# KiCad board panel.kicad_pcb (continued)
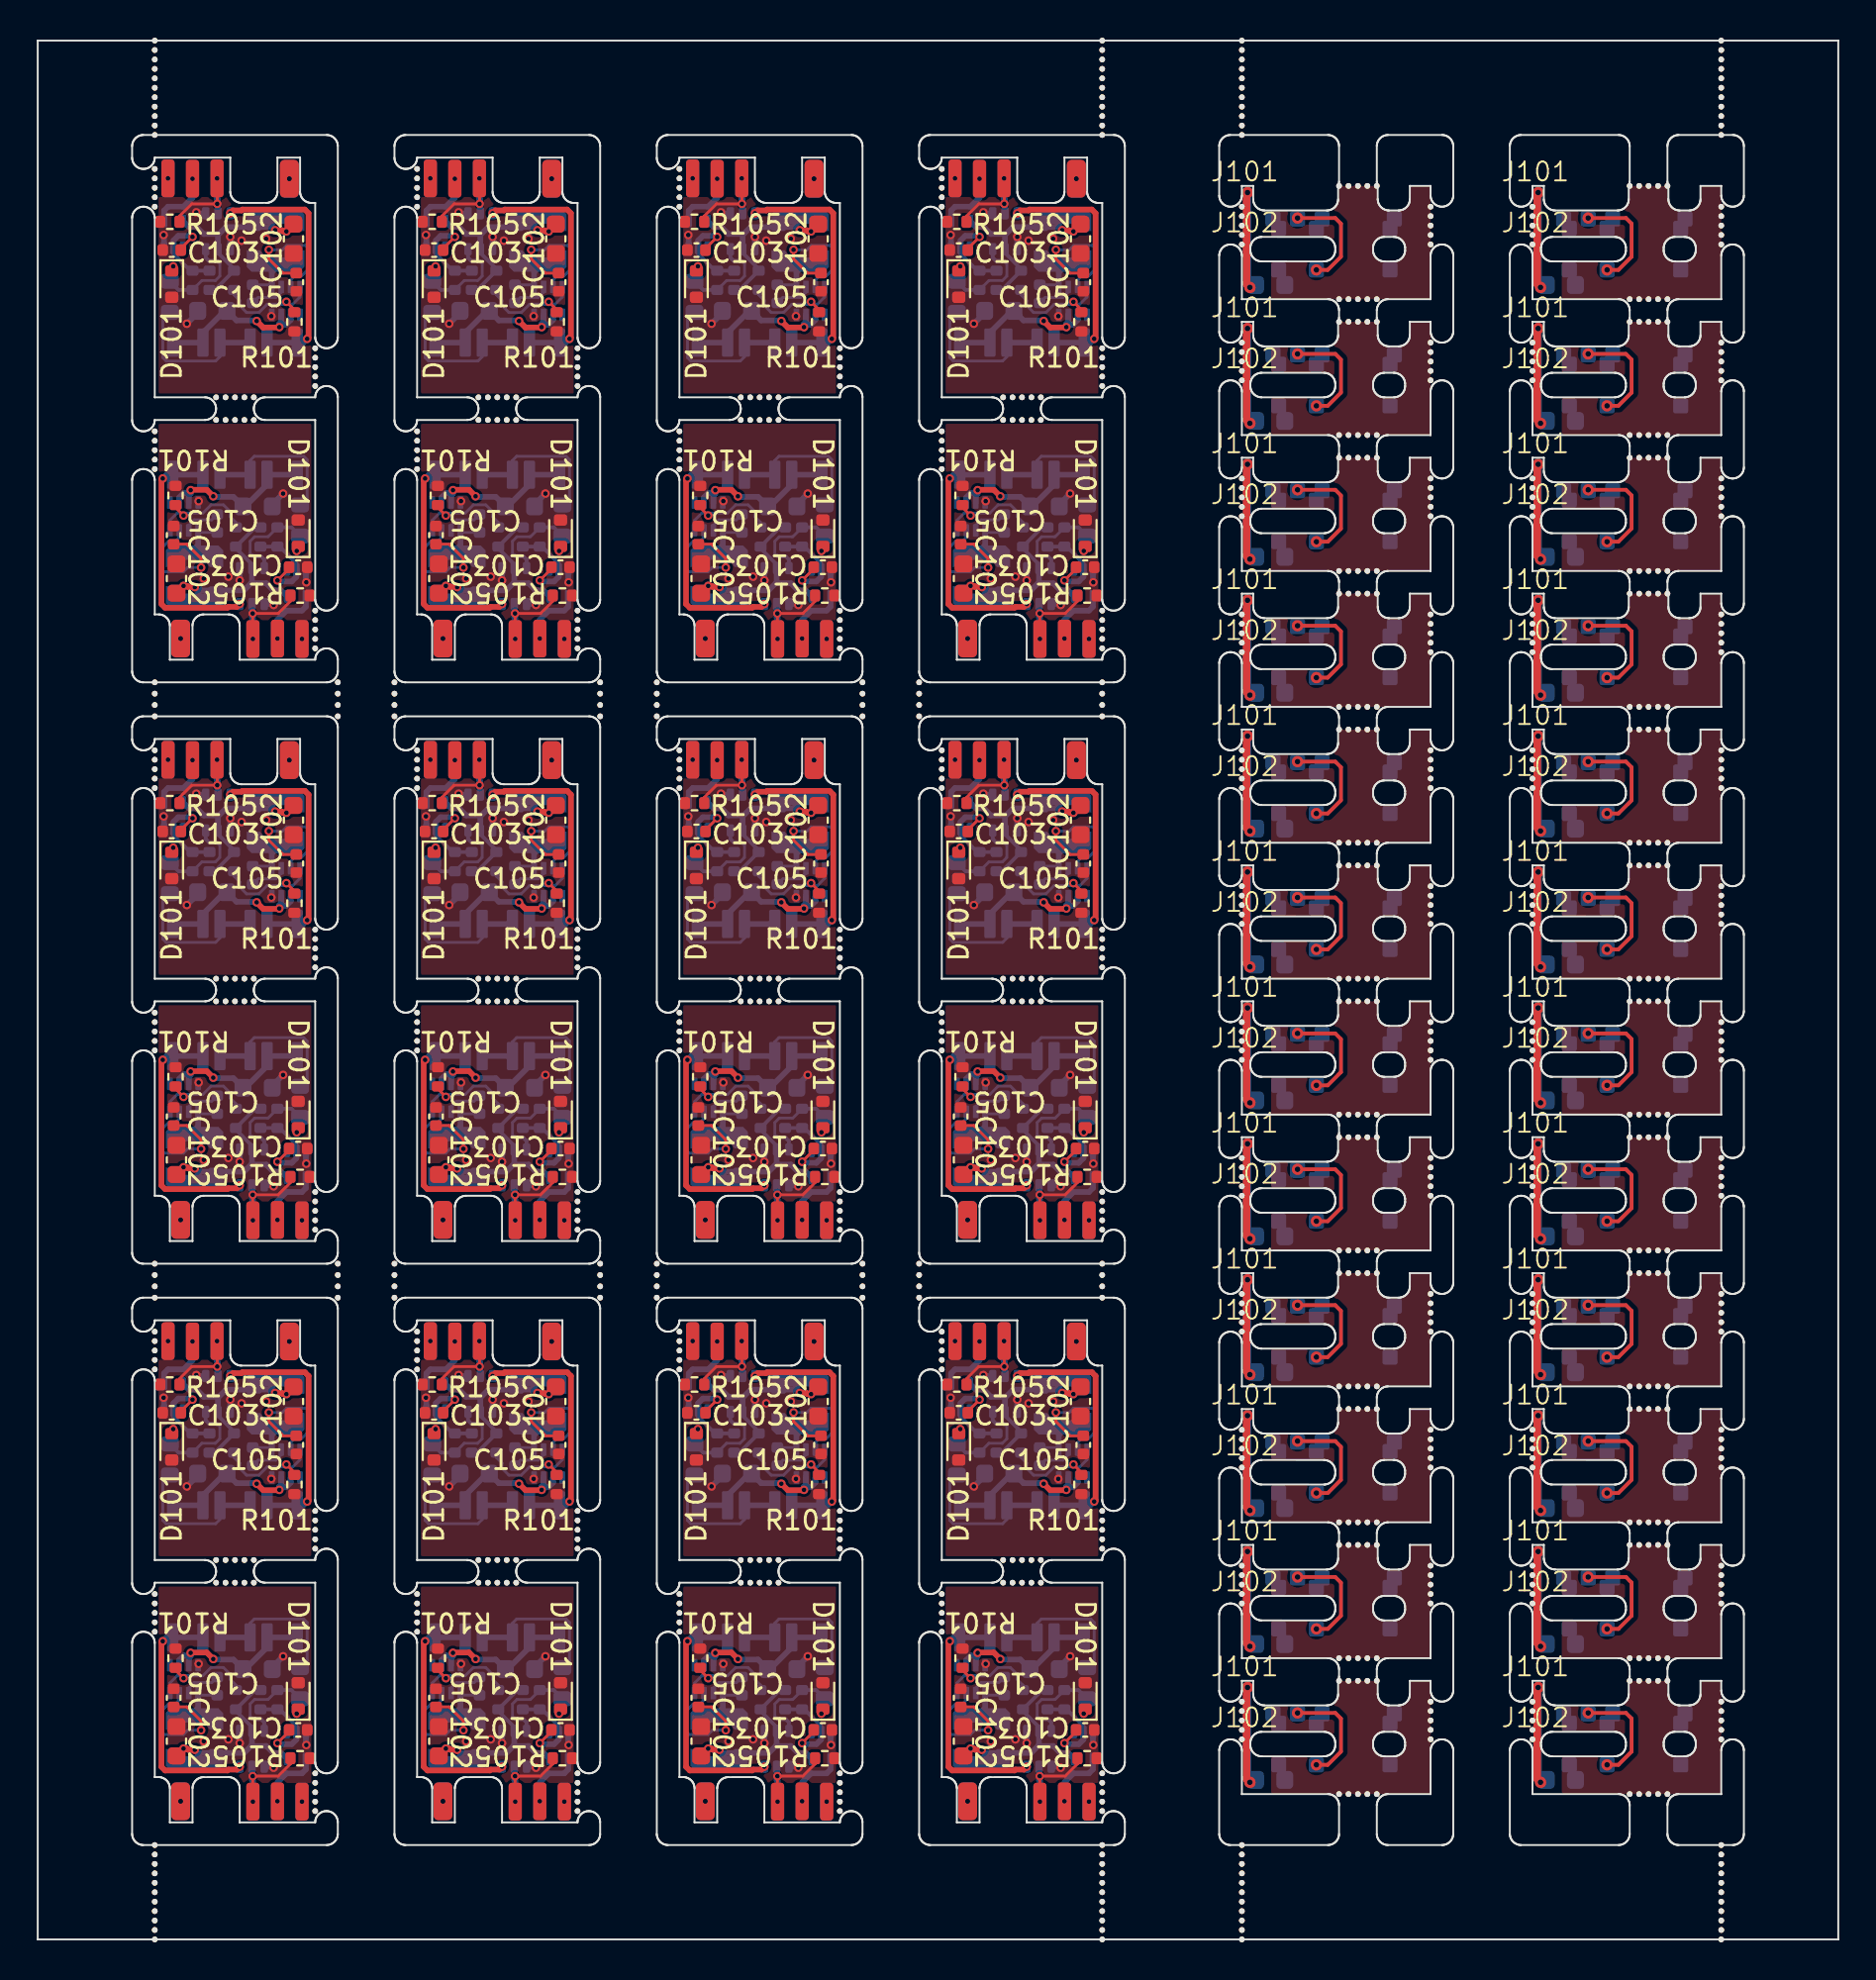
[diagram p0: board, top side]
## Placement (name value [footprint] x y rotation side) (continued)
H106#8  Pad  [SolderWirePad_1x01_SMD_1.5x3mm#2]  21.47 7.32 180 bottom
H106#9  Pad  [SolderWirePad_1x01_SMD_1.5x3mm#2]  41.13 31.68 0 bottom
H106#10  Pad  [SolderWirePad_1x01_SMD_1.5x3mm#2]  21.47 68.92 180 bottom
H106#11  Pad  [SolderWirePad_1x01_SMD_1.5x3mm#2]  21.47 38.12 180 bottom
H106#12  Pad  [SolderWirePad_1x01_SMD_1.5x3mm#2]  13.33 31.68 0 bottom
H106#13  Pad  [SolderWirePad_1x01_SMD_1.5x3mm#2]  55.03 93.28 0 bottom
H106#14  Pad  [SolderWirePad_1x01_SMD_1.5x3mm#2]  7.57 38.12 180 bottom
H106#15  Pad  [SolderWirePad_1x01_SMD_1.5x3mm#2]  13.33 62.48 0 bottom
H106#16  Pad  [SolderWirePad_1x01_SMD_1.5x3mm#2]  13.33 93.28 0 bottom
H106#17  Pad  [SolderWirePad_1x01_SMD_1.5x3mm#2]  55.03 62.48 0 bottom
H106#18  Pad  [SolderWirePad_1x01_SMD_1.5x3mm#2]  35.37 7.32 180 bottom
H106#19  Pad  [SolderWirePad_1x01_SMD_1.5x3mm#2]  49.27 38.12 180 bottom
H106#20  Pad  [SolderWirePad_1x01_SMD_1.5x3mm#2]  27.23 31.68 0 bottom
H106#21  Pad  [SolderWirePad_1x01_SMD_1.5x3mm#2]  49.27 68.92 180 bottom
H106#22  Pad  [SolderWirePad_1x01_SMD_1.5x3mm#2]  55.03 31.68 0 bottom
H106#23  Pad  [SolderWirePad_1x01_SMD_1.5x3mm#2]  35.37 38.12 180 bottom
H106#24  Pad  [SolderWirePad_1x01_SMD_1.5x3mm#2]  41.13 93.28 0 bottom
H107  Pad  [SolderWirePad_1x01_SMD_1.5x3mm]  27.9 7.3 180 bottom
H107#2  Pad  [SolderWirePad_1x01_SMD_1.5x3mm]  6.9 31.7 0 bottom
H107#3  Pad  [SolderWirePad_1x01_SMD_1.5x3mm]  34.7 93.3 0 bottom
H107#4  Pad  [SolderWirePad_1x01_SMD_1.5x3mm]  48.6 31.7 0 bottom
H107#5  Pad  [SolderWirePad_1x01_SMD_1.5x3mm]  6.9 93.3 0 bottom
H107#6  Pad  [SolderWirePad_1x01_SMD_1.5x3mm]  55.7 7.3 180 bottom
H107#7  Pad  [SolderWirePad_1x01_SMD_1.5x3mm]  14 7.3 180 bottom
H107#8  Pad  [SolderWirePad_1x01_SMD_1.5x3mm]  48.6 93.3 0 bottom
H107#9  Pad  [SolderWirePad_1x01_SMD_1.5x3mm]  20.8 62.5 0 bottom
H107#10  Pad  [SolderWirePad_1x01_SMD_1.5x3mm]  27.9 68.9 180 bottom
H107#11  Pad  [SolderWirePad_1x01_SMD_1.5x3mm]  6.9 62.5 0 bottom
H107#12  Pad  [SolderWirePad_1x01_SMD_1.5x3mm]  41.8 68.9 180 bottom
H107#13  Pad  [SolderWirePad_1x01_SMD_1.5x3mm]  14 38.1 180 bottom
H107#14  Pad  [SolderWirePad_1x01_SMD_1.5x3mm]  27.9 38.1 180 bottom
H107#15  Pad  [SolderWirePad_1x01_SMD_1.5x3mm]  34.7 31.7 0 bottom
H107#16  Pad  [SolderWirePad_1x01_SMD_1.5x3mm]  20.8 31.7 0 bottom
H107#17  Pad  [SolderWirePad_1x01_SMD_1.5x3mm]  41.8 7.3 180 bottom
H107#18  Pad  [SolderWirePad_1x01_SMD_1.5x3mm]  55.7 68.9 180 bottom
H107#19  Pad  [SolderWirePad_1x01_SMD_1.5x3mm]  55.7 38.1 180 bottom
H107#20  Pad  [SolderWirePad_1x01_SMD_1.5x3mm]  14 68.9 180 bottom
H107#21  Pad  [SolderWirePad_1x01_SMD_1.5x3mm]  41.8 38.1 180 bottom
H107#22  Pad  [SolderWirePad_1x01_SMD_1.5x3mm]  48.6 62.5 0 bottom
H107#23  Pad  [SolderWirePad_1x01_SMD_1.5x3mm]  20.8 93.3 0 bottom
H107#24  Pad  [SolderWirePad_1x01_SMD_1.5x3mm]  34.7 62.5 0 bottom
H108  Pad  [SolderWirePad_1x01_SMD_1.5x3mm#2]  27.23 93.28 0 top
H108#2  Pad  [SolderWirePad_1x01_SMD_1.5x3mm#2]  41.13 93.28 0 top
H108#3  Pad  [SolderWirePad_1x01_SMD_1.5x3mm#2]  41.13 62.48 0 top
H108#4  Pad  [SolderWirePad_1x01_SMD_1.5x3mm#2]  27.23 62.48 0 top
H108#5  Pad  [SolderWirePad_1x01_SMD_1.5x3mm#2]  7.57 7.32 180 top
H108#6  Pad  [SolderWirePad_1x01_SMD_1.5x3mm#2]  49.27 68.92 180 top
H108#7  Pad  [SolderWirePad_1x01_SMD_1.5x3mm#2]  55.03 62.48 0 top
H108#8  Pad  [SolderWirePad_1x01_SMD_1.5x3mm#2]  13.33 31.68 0 top
H108#9  Pad  [SolderWirePad_1x01_SMD_1.5x3mm#2]  41.13 31.68 0 top
H108#10  Pad  [SolderWirePad_1x01_SMD_1.5x3mm#2]  49.27 7.32 180 top
H108#11  Pad  [SolderWirePad_1x01_SMD_1.5x3mm#2]  55.03 31.68 0 top
H108#12  Pad  [SolderWirePad_1x01_SMD_1.5x3mm#2]  55.03 93.28 0 top
H108#13  Pad  [SolderWirePad_1x01_SMD_1.5x3mm#2]  49.27 38.12 180 top
H108#14  Pad  [SolderWirePad_1x01_SMD_1.5x3mm#2]  7.57 68.92 180 top
H108#15  Pad  [SolderWirePad_1x01_SMD_1.5x3mm#2]  35.37 38.12 180 top
H108#16  Pad  [SolderWirePad_1x01_SMD_1.5x3mm#2]  21.47 7.32 180 top
H108#17  Pad  [SolderWirePad_1x01_SMD_1.5x3mm#2]  7.57 38.12 180 top
H108#18  Pad  [SolderWirePad_1x01_SMD_1.5x3mm#2]  13.33 93.28 0 top
H108#19  Pad  [SolderWirePad_1x01_SMD_1.5x3mm#2]  21.47 38.12 180 top
H108#20  Pad  [SolderWirePad_1x01_SMD_1.5x3mm#2]  13.33 62.48 0 top
H108#21  Pad  [SolderWirePad_1x01_SMD_1.5x3mm#2]  35.37 7.32 180 top
H108#22  Pad  [SolderWirePad_1x01_SMD_1.5x3mm#2]  21.47 68.92 180 top
H108#23  Pad  [SolderWirePad_1x01_SMD_1.5x3mm#2]  35.37 68.92 180 top
H108#24  Pad  [SolderWirePad_1x01_SMD_1.5x3mm#2]  27.23 31.68 0 top
H109  Pad  [SolderWirePad_1x01_SMD_1.5x3mm]  26.6 38.12 180 top
H109#2  Pad  [SolderWirePad_1x01_SMD_1.5x3mm]  36 93.28 0 top
H109#3  Pad  [SolderWirePad_1x01_SMD_1.5x3mm]  40.5 7.32 180 top
H109#4  Pad  [SolderWirePad_1x01_SMD_1.5x3mm]  12.7 7.32 180 top
H109#5  Pad  [SolderWirePad_1x01_SMD_1.5x3mm]  26.6 68.92 180 top
H109#6  Pad  [SolderWirePad_1x01_SMD_1.5x3mm]  54.4 68.92 180 top
H109#7  Pad  [SolderWirePad_1x01_SMD_1.5x3mm]  36 62.48 0 top
H109#8  Pad  [SolderWirePad_1x01_SMD_1.5x3mm]  8.2 93.28 0 top
H109#9  Pad  [SolderWirePad_1x01_SMD_1.5x3mm]  54.4 38.12 180 top
H109#10  Pad  [SolderWirePad_1x01_SMD_1.5x3mm]  22.1 31.68 0 top
H109#11  Pad  [SolderWirePad_1x01_SMD_1.5x3mm]  8.2 62.48 0 top
H109#12  Pad  [SolderWirePad_1x01_SMD_1.5x3mm]  36 31.68 0 top
H109#13  Pad  [SolderWirePad_1x01_SMD_1.5x3mm]  54.4 7.32 180 top
H109#14  Pad  [SolderWirePad_1x01_SMD_1.5x3mm]  40.5 38.12 180 top
H109#15  Pad  [SolderWirePad_1x01_SMD_1.5x3mm]  49.9 62.48 0 top
H109#16  Pad  [SolderWirePad_1x01_SMD_1.5x3mm]  12.7 38.12 180 top
H109#17  Pad  [SolderWirePad_1x01_SMD_1.5x3mm]  49.9 31.68 0 top
H109#18  Pad  [SolderWirePad_1x01_SMD_1.5x3mm]  12.7 68.92 180 top
H109#19  Pad  [SolderWirePad_1x01_SMD_1.5x3mm]  22.1 62.48 0 top
H109#20  Pad  [SolderWirePad_1x01_SMD_1.5x3mm]  8.2 31.68 0 top
H109#21  Pad  [SolderWirePad_1x01_SMD_1.5x3mm]  22.1 93.28 0 top
H109#22  Pad  [SolderWirePad_1x01_SMD_1.5x3mm]  49.9 93.28 0 top
H109#23  Pad  [SolderWirePad_1x01_SMD_1.5x3mm]  40.5 68.92 180 top
H109#24  Pad  [SolderWirePad_1x01_SMD_1.5x3mm]  26.6 7.32 180 top
H110  Pad  [SolderWirePad_1x01_SMD_1.5x3mm]  11.4 38.1 180 top
H110#2  Pad  [SolderWirePad_1x01_SMD_1.5x3mm]  53.1 38.1 180 top
H110#3  Pad  [SolderWirePad_1x01_SMD_1.5x3mm]  11.4 68.9 180 top
H110#4  Pad  [SolderWirePad_1x01_SMD_1.5x3mm]  39.2 7.3 180 top
H110#5  Pad  [SolderWirePad_1x01_SMD_1.5x3mm]  51.2 62.5 0 top
H110#6  Pad  [SolderWirePad_1x01_SMD_1.5x3mm]  39.2 68.9 180 top
H110#7  Pad  [SolderWirePad_1x01_SMD_1.5x3mm]  51.2 31.7 0 top
H110#8  Pad  [SolderWirePad_1x01_SMD_1.5x3mm]  37.3 93.3 0 top
H110#9  Pad  [SolderWirePad_1x01_SMD_1.5x3mm]  9.5 62.5 0 top
H110#10  Pad  [SolderWirePad_1x01_SMD_1.5x3mm]  53.1 68.9 180 top
H110#11  Pad  [SolderWirePad_1x01_SMD_1.5x3mm]  11.4 7.3 180 top
H110#12  Pad  [SolderWirePad_1x01_SMD_1.5x3mm]  25.3 7.3 180 top
H110#13  Pad  [SolderWirePad_1x01_SMD_1.5x3mm]  9.5 93.3 0 top
H110#14  Pad  [SolderWirePad_1x01_SMD_1.5x3mm]  23.4 62.5 0 top
H110#15  Pad  [SolderWirePad_1x01_SMD_1.5x3mm]  53.1 7.3 180 top
H110#16  Pad  [SolderWirePad_1x01_SMD_1.5x3mm]  25.3 68.9 180 top
H110#17  Pad  [SolderWirePad_1x01_SMD_1.5x3mm]  23.4 31.7 0 top
H110#18  Pad  [SolderWirePad_1x01_SMD_1.5x3mm]  37.3 31.7 0 top
H110#19  Pad  [SolderWirePad_1x01_SMD_1.5x3mm]  23.4 93.3 0 top
H110#20  Pad  [SolderWirePad_1x01_SMD_1.5x3mm]  37.3 62.5 0 top
H110#21  Pad  [SolderWirePad_1x01_SMD_1.5x3mm]  39.2 38.1 180 top
H110#22  Pad  [SolderWirePad_1x01_SMD_1.5x3mm]  51.2 93.3 0 top
H110#23  Pad  [SolderWirePad_1x01_SMD_1.5x3mm]  25.3 38.1 180 top
H110#24  Pad  [SolderWirePad_1x01_SMD_1.5x3mm]  9.5 31.7 0 top
H111  Pad  [SolderWirePad_1x01_SMD_1.5x3mm]  48.6 93.3 0 top
H111#2  Pad  [SolderWirePad_1x01_SMD_1.5x3mm]  48.6 31.7 0 top
H111#3  Pad  [SolderWirePad_1x01_SMD_1.5x3mm]  6.9 62.5 0 top
H111#4  Pad  [SolderWirePad_1x01_SMD_1.5x3mm]  6.9 93.3 0 top
H111#5  Pad  [SolderWirePad_1x01_SMD_1.5x3mm]  34.7 31.7 0 top
H111#6  Pad  [SolderWirePad_1x01_SMD_1.5x3mm]  14 68.9 180 top
H111#7  Pad  [SolderWirePad_1x01_SMD_1.5x3mm]  55.7 7.3 180 top
H111#8  Pad  [SolderWirePad_1x01_SMD_1.5x3mm]  20.8 93.3 0 top
H111#9  Pad  [SolderWirePad_1x01_SMD_1.5x3mm]  41.8 7.3 180 top
H111#10  Pad  [SolderWirePad_1x01_SMD_1.5x3mm]  27.9 68.9 180 top
H111#11  Pad  [SolderWirePad_1x01_SMD_1.5x3mm]  20.8 31.7 0 top
H111#12  Pad  [SolderWirePad_1x01_SMD_1.5x3mm]  20.8 62.5 0 top
H111#13  Pad  [SolderWirePad_1x01_SMD_1.5x3mm]  34.7 62.5 0 top
H111#14  Pad  [SolderWirePad_1x01_SMD_1.5x3mm]  41.8 68.9 180 top
H111#15  Pad  [SolderWirePad_1x01_SMD_1.5x3mm]  14 38.1 180 top
H111#16  Pad  [SolderWirePad_1x01_SMD_1.5x3mm]  41.8 38.1 180 top
H111#17  Pad  [SolderWirePad_1x01_SMD_1.5x3mm]  27.9 38.1 180 top
H111#18  Pad  [SolderWirePad_1x01_SMD_1.5x3mm]  34.7 93.3 0 top
H111#19  Pad  [SolderWirePad_1x01_SMD_1.5x3mm]  55.7 38.1 180 top
H111#20  Pad  [SolderWirePad_1x01_SMD_1.5x3mm]  6.9 31.7 0 top
H111#21  Pad  [SolderWirePad_1x01_SMD_1.5x3mm]  48.6 62.5 0 top
H111#22  Pad  [SolderWirePad_1x01_SMD_1.5x3mm]  27.9 7.3 180 top
H111#23  Pad  [SolderWirePad_1x01_SMD_1.5x3mm]  14 7.3 180 top
H111#24  Pad  [SolderWirePad_1x01_SMD_1.5x3mm]  55.7 68.9 180 top
J101  Conn_01x04  [minipcb_alt_boardedge]  80.15 77.85 0 top
J101#2  Conn_01x04  [minipcb_alt_boardedge]  80.15 34.65 0 top
J101#3  Conn_01x04  [minipcb_alt_boardedge]  80.15 85.05 0 top
J101#4  Conn_01x04  [minipcb_alt_boardedge]  80.15 56.25 0 top
J101#5  Conn_01x04  [minipcb_alt_boardedge]  80.15 92.25 0 top
J101#6  Conn_01x04  [minipcb_alt_boardedge]  80.15 27.45 0 top
J101#7  Conn_01x04  [minipcb_alt_boardedge]  64.75 63.45 0 top
J101#8  Conn_01x04  [minipcb_alt_boardedge]  80.15 13.05 0 top
J101#9  Conn_01x04  [minipcb_alt_boardedge]  64.75 27.45 0 top
J101#10  Conn_01x04  [minipcb_alt_boardedge]  80.15 63.45 0 top
J101#11  Conn_01x04  [minipcb_alt_boardedge]  64.75 13.05 0 top
J101#12  Conn_01x04  [minipcb_alt_boardedge]  64.75 49.05 0 top
J101#13  Conn_01x04  [minipcb_alt_boardedge]  64.75 70.65 0 top
J101#14  Conn_01x04  [minipcb_alt_boardedge]  64.75 92.25 0 top
J101#15  Conn_01x04  [minipcb_alt_boardedge]  80.15 70.65 0 top
J101#16  Conn_01x04  [minipcb_alt_boardedge]  64.75 20.25 0 top
J101#17  Conn_01x04  [minipcb_alt_boardedge]  80.15 41.85 0 top
J101#18  Conn_01x04  [minipcb_alt_boardedge]  80.15 49.05 0 top
J101#19  Conn_01x04  [minipcb_alt_boardedge]  64.75 85.05 0 top
J101#20  Conn_01x04  [minipcb_alt_boardedge]  80.15 20.25 0 top
J101#21  Conn_01x04  [minipcb_alt_boardedge]  64.75 77.85 0 top
J101#22  Conn_01x04  [minipcb_alt_boardedge]  64.75 56.25 0 top
J101#23  Conn_01x04  [minipcb_alt_boardedge]  64.75 34.65 0 top
J101#24  Conn_01x04  [minipcb_alt_boardedge]  64.75 41.85 0 top
J102  Conn_02x03_Odd_Even  [ESP8685-WROOM-07]  64.25 89.55 0 top
J102#2  Conn_02x03_Odd_Even  [ESP8685-WROOM-07]  79.65 67.95 0 top
J102#3  Conn_02x03_Odd_Even  [ESP8685-WROOM-07]  64.25 10.35 0 top
J102#4  Conn_02x03_Odd_Even  [ESP8685-WROOM-07]  64.25 67.95 0 top
J102#5  Conn_02x03_Odd_Even  [ESP8685-WROOM-07]  64.25 24.75 0 top
J102#6  Conn_02x03_Odd_Even  [ESP8685-WROOM-07]  79.65 17.55 0 top
J102#7  Conn_02x03_Odd_Even  [ESP8685-WROOM-07]  79.65 75.15 0 top
J102#8  Conn_02x03_Odd_Even  [ESP8685-WROOM-07]  64.25 75.15 0 top
J102#9  Conn_02x03_Odd_Even  [ESP8685-WROOM-07]  64.25 60.75 0 top
J102#10  Conn_02x03_Odd_Even  [ESP8685-WROOM-07]  79.65 10.35 0 top
J102#11  Conn_02x03_Odd_Even  [ESP8685-WROOM-07]  64.25 53.55 0 top
J102#12  Conn_02x03_Odd_Even  [ESP8685-WROOM-07]  79.65 31.95 0 top
J102#13  Conn_02x03_Odd_Even  [ESP8685-WROOM-07]  79.65 82.35 0 top
J102#14  Conn_02x03_Odd_Even  [ESP8685-WROOM-07]  64.25 17.55 0 top
J102#15  Conn_02x03_Odd_Even  [ESP8685-WROOM-07]  64.25 46.35 0 top
J102#16  Conn_02x03_Odd_Even  [ESP8685-WROOM-07]  79.65 53.55 0 top
J102#17  Conn_02x03_Odd_Even  [ESP8685-WROOM-07]  79.65 60.75 0 top
J102#18  Conn_02x03_Odd_Even  [ESP8685-WROOM-07]  64.25 82.35 0 top
J102#19  Conn_02x03_Odd_Even  [ESP8685-WROOM-07]  79.65 24.75 0 top
J102#20  Conn_02x03_Odd_Even  [ESP8685-WROOM-07]  79.65 46.35 0 top
J102#21  Conn_02x03_Odd_Even  [ESP8685-WROOM-07]  79.65 39.15 0 top
J102#22  Conn_02x03_Odd_Even  [ESP8685-WROOM-07]  64.25 31.95 0 top
J102#23  Conn_02x03_Odd_Even  [ESP8685-WROOM-07]  64.25 39.15 0 top
J102#24  Conn_02x03_Odd_Even  [ESP8685-WROOM-07]  79.65 89.55 0 top
KiKit_MB_1_1  -  [NPTH]  70.95 86.9 0 top
KiKit_MB_1_1#2  -  [NPTH]  11.45 81.7 0 top
KiKit_MB_1_2  -  [NPTH]  10.95 81.7 0 top
KiKit_MB_1_2#2  -  [NPTH]  70.45 86.9 0 top
KiKit_MB_1_3  -  [NPTH]  69.95 86.9 0 top
KiKit_MB_1_3#2  -  [NPTH]  10.45 81.7 0 top
KiKit_MB_1_4  -  [NPTH]  69.45 86.9 0 top
KiKit_MB_1_4#2  -  [NPTH]  9.95 81.7 0 top
KiKit_MB_1_5  -  [NPTH]  68.95 86.9 0 top
KiKit_MB_1_5#2  -  [NPTH]  9.45 81.7 0 top
KiKit_MB_2_1  -  [NPTH]  14.7 84.3 0 top
KiKit_MB_2_1#2  -  [NPTH]  73.8 91.8 0 top
KiKit_MB_2_2  -  [NPTH]  73.8 91.3 0 top
KiKit_MB_2_2#2  -  [NPTH]  14.7 83.8 0 top
KiKit_MB_2_3  -  [NPTH]  14.7 83.3 0 top
KiKit_MB_2_3#2  -  [NPTH]  73.8 90.8 0 top
KiKit_MB_2_4  -  [NPTH]  14.7 82.8 0 top
KiKit_MB_2_4#2  -  [NPTH]  73.8 90.3 0 top
KiKit_MB_2_5  -  [NPTH]  14.7 82.3 0 top
KiKit_MB_2_5#2  -  [NPTH]  73.8 89.8 0 top
KiKit_MB_3_1  -  [NPTH]  68.95 92.9 0 top
KiKit_MB_3_1#2  -  [NPTH]  6.2 91.8 0 top
KiKit_MB_3_2  -  [NPTH]  6.2 92.3 0 top
KiKit_MB_3_2#2  -  [NPTH]  69.45 92.9 0 top
KiKit_MB_3_3  -  [NPTH]  6.2 92.8 0 top
KiKit_MB_3_3#2  -  [NPTH]  69.95 92.9 0 top
KiKit_MB_3_4  -  [NPTH]  70.45 92.9 0 top
KiKit_MB_3_4#2  -  [NPTH]  6.2 93.3 0 top
KiKit_MB_3_5  -  [NPTH]  6.2 93.8 0 top
KiKit_MB_3_5#2  -  [NPTH]  70.95 92.9 0 top
KiKit_MB_4_1  -  [NPTH]  63.8 89.8 0 top
KiKit_MB_4_1#2  -  [NPTH]  25.35 81.7 0 top
KiKit_MB_4_2  -  [NPTH]  63.8 90.3 0 top
KiKit_MB_4_2#2  -  [NPTH]  24.85 81.7 0 top
KiKit_MB_4_3  -  [NPTH]  63.8 90.8 0 top
KiKit_MB_4_3#2  -  [NPTH]  24.35 81.7 0 top
KiKit_MB_4_4  -  [NPTH]  63.8 91.3 0 top
KiKit_MB_4_4#2  -  [NPTH]  23.85 81.7 0 top
KiKit_MB_4_5  -  [NPTH]  63.8 91.8 0 top
KiKit_MB_4_5#2  -  [NPTH]  23.35 81.7 0 top
KiKit_MB_5_1  -  [NPTH]  28.6 84.3 0 top
KiKit_MB_5_1#2  -  [NPTH]  86.35 86.9 0 top
KiKit_MB_5_2  -  [NPTH]  85.85 86.9 0 top
KiKit_MB_5_2#2  -  [NPTH]  28.6 83.8 0 top
KiKit_MB_5_3  -  [NPTH]  28.6 83.3 0 top
KiKit_MB_5_3#2  -  [NPTH]  85.35 86.9 0 top
KiKit_MB_5_4  -  [NPTH]  84.85 86.9 0 top
KiKit_MB_5_4#2  -  [NPTH]  28.6 82.8 0 top
KiKit_MB_5_5  -  [NPTH]  28.6 82.3 0 top
KiKit_MB_5_5#2  -  [NPTH]  84.35 86.9 0 top
KiKit_MB_6_1  -  [NPTH]  89.2 91.8 0 top
KiKit_MB_6_1#2  -  [NPTH]  20.1 91.8 0 top
KiKit_MB_6_2  -  [NPTH]  89.2 91.3 0 top
KiKit_MB_6_2#2  -  [NPTH]  20.1 92.3 0 top
KiKit_MB_6_3  -  [NPTH]  89.2 90.8 0 top
KiKit_MB_6_3#2  -  [NPTH]  20.1 92.8 0 top
KiKit_MB_6_4  -  [NPTH]  89.2 90.3 0 top
KiKit_MB_6_4#2  -  [NPTH]  20.1 93.3 0 top
KiKit_MB_6_5  -  [NPTH]  89.2 89.8 0 top
KiKit_MB_6_5#2  -  [NPTH]  20.1 93.8 0 top
KiKit_MB_7_1  -  [NPTH]  84.35 92.9 0 top
KiKit_MB_7_1#2  -  [NPTH]  39.25 81.7 0 top
KiKit_MB_7_2  -  [NPTH]  38.75 81.7 0 top
KiKit_MB_7_2#2  -  [NPTH]  84.85 92.9 0 top
KiKit_MB_7_3  -  [NPTH]  85.35 92.9 0 top
KiKit_MB_7_3#2  -  [NPTH]  38.25 81.7 0 top
KiKit_MB_7_4  -  [NPTH]  85.85 92.9 0 top
KiKit_MB_7_4#2  -  [NPTH]  37.75 81.7 0 top
KiKit_MB_7_5  -  [NPTH]  37.25 81.7 0 top
KiKit_MB_7_5#2  -  [NPTH]  86.35 92.9 0 top
KiKit_MB_8_1  -  [NPTH]  79.2 89.8 0 top
KiKit_MB_8_1#2  -  [NPTH]  42.5 84.3 0 top
KiKit_MB_8_2  -  [NPTH]  79.2 90.3 0 top
KiKit_MB_8_2#2  -  [NPTH]  42.5 83.8 0 top
KiKit_MB_8_3  -  [NPTH]  79.2 90.8 0 top
KiKit_MB_8_3#2  -  [NPTH]  42.5 83.3 0 top
KiKit_MB_8_4  -  [NPTH]  42.5 82.8 0 top
KiKit_MB_8_4#2  -  [NPTH]  79.2 91.3 0 top
KiKit_MB_8_5  -  [NPTH]  42.5 82.3 0 top
KiKit_MB_8_5#2  -  [NPTH]  79.2 91.8 0 top
KiKit_MB_9_1  -  [NPTH]  70.95 79.7 0 top
KiKit_MB_9_1#2  -  [NPTH]  34 91.8 0 top
KiKit_MB_9_2  -  [NPTH]  34 92.3 0 top
KiKit_MB_9_2#2  -  [NPTH]  70.45 79.7 0 top
KiKit_MB_9_3  -  [NPTH]  69.95 79.7 0 top
KiKit_MB_9_3#2  -  [NPTH]  34 92.8 0 top
KiKit_MB_9_4  -  [NPTH]  69.45 79.7 0 top
KiKit_MB_9_4#2  -  [NPTH]  34 93.3 0 top
KiKit_MB_9_5  -  [NPTH]  68.95 79.7 0 top
KiKit_MB_9_5#2  -  [NPTH]  34 93.8 0 top
KiKit_MB_10_1  -  [NPTH]  53.15 81.7 0 top
KiKit_MB_10_1#2  -  [NPTH]  73.8 84.6 0 top
KiKit_MB_10_2  -  [NPTH]  52.65 81.7 0 top
KiKit_MB_10_2#2  -  [NPTH]  73.8 84.1 0 top
KiKit_MB_10_3  -  [NPTH]  73.8 83.6 0 top
KiKit_MB_10_3#2  -  [NPTH]  52.15 81.7 0 top
KiKit_MB_10_4  -  [NPTH]  51.65 81.7 0 top
KiKit_MB_10_4#2  -  [NPTH]  73.8 83.1 0 top
KiKit_MB_10_5  -  [NPTH]  51.15 81.7 0 top
KiKit_MB_10_5#2  -  [NPTH]  73.8 82.6 0 top
KiKit_MB_11_1  -  [NPTH]  56.4 84.3 0 top
KiKit_MB_11_1#2  -  [NPTH]  68.95 85.7 0 top
KiKit_MB_11_2  -  [NPTH]  69.45 85.7 0 top
KiKit_MB_11_2#2  -  [NPTH]  56.4 83.8 0 top
KiKit_MB_11_3  -  [NPTH]  56.4 83.3 0 top
KiKit_MB_11_3#2  -  [NPTH]  69.95 85.7 0 top
KiKit_MB_11_4  -  [NPTH]  70.45 85.7 0 top
KiKit_MB_11_4#2  -  [NPTH]  56.4 82.8 0 top
KiKit_MB_11_5  -  [NPTH]  56.4 82.3 0 top
KiKit_MB_11_5#2  -  [NPTH]  70.95 85.7 0 top
KiKit_MB_12_1  -  [NPTH]  63.8 82.6 0 top
KiKit_MB_12_1#2  -  [NPTH]  47.9 91.8 0 top
KiKit_MB_12_2  -  [NPTH]  47.9 92.3 0 top
KiKit_MB_12_2#2  -  [NPTH]  63.8 83.1 0 top
KiKit_MB_12_3  -  [NPTH]  63.8 83.6 0 top
KiKit_MB_12_3#2  -  [NPTH]  47.9 92.8 0 top
KiKit_MB_12_4  -  [NPTH]  47.9 93.3 0 top
KiKit_MB_12_4#2  -  [NPTH]  63.8 84.1 0 top
KiKit_MB_12_5  -  [NPTH]  63.8 84.6 0 top
KiKit_MB_12_5#2  -  [NPTH]  47.9 93.8 0 top
KiKit_MB_13_1  -  [NPTH]  9.45 80.5 0 top
KiKit_MB_13_1#2  -  [NPTH]  86.35 79.7 0 top
KiKit_MB_13_2  -  [NPTH]  85.85 79.7 0 top
KiKit_MB_13_2#2  -  [NPTH]  9.95 80.5 0 top
KiKit_MB_13_3  -  [NPTH]  85.35 79.7 0 top
KiKit_MB_13_3#2  -  [NPTH]  10.45 80.5 0 top
KiKit_MB_13_4  -  [NPTH]  84.85 79.7 0 top
KiKit_MB_13_4#2  -  [NPTH]  10.95 80.5 0 top
KiKit_MB_13_5  -  [NPTH]  11.45 80.5 0 top
KiKit_MB_13_5#2  -  [NPTH]  84.35 79.7 0 top
KiKit_MB_14_1  -  [NPTH]  89.2 84.6 0 top
KiKit_MB_14_1#2  -  [NPTH]  6.2 77.9 0 top
KiKit_MB_14_2  -  [NPTH]  89.2 84.1 0 top
KiKit_MB_14_2#2  -  [NPTH]  6.2 78.4 0 top
KiKit_MB_14_3  -  [NPTH]  6.2 78.9 0 top
KiKit_MB_14_3#2  -  [NPTH]  89.2 83.6 0 top
KiKit_MB_14_4  -  [NPTH]  89.2 83.1 0 top
KiKit_MB_14_4#2  -  [NPTH]  6.2 79.4 0 top
KiKit_MB_14_5  -  [NPTH]  89.2 82.6 0 top
KiKit_MB_14_5#2  -  [NPTH]  6.2 79.9 0 top
KiKit_MB_15_1  -  [NPTH]  84.35 85.7 0 top
KiKit_MB_15_1#2  -  [NPTH]  14.7 70.4 0 top
KiKit_MB_15_2  -  [NPTH]  14.7 69.9 0 top
KiKit_MB_15_2#2  -  [NPTH]  84.85 85.7 0 top
KiKit_MB_15_3  -  [NPTH]  14.7 69.4 0 top
KiKit_MB_15_3#2  -  [NPTH]  85.35 85.7 0 top
KiKit_MB_15_4  -  [NPTH]  85.85 85.7 0 top
KiKit_MB_15_4#2  -  [NPTH]  14.7 68.9 0 top
KiKit_MB_15_5  -  [NPTH]  14.7 68.4 0 top
KiKit_MB_15_5#2  -  [NPTH]  86.35 85.7 0 top
KiKit_MB_16_1  -  [NPTH]  79.2 82.6 0 top
KiKit_MB_16_1#2  -  [NPTH]  23.35 80.5 0 top
KiKit_MB_16_2  -  [NPTH]  23.85 80.5 0 top
KiKit_MB_16_2#2  -  [NPTH]  79.2 83.1 0 top
KiKit_MB_16_3  -  [NPTH]  24.35 80.5 0 top
KiKit_MB_16_3#2  -  [NPTH]  79.2 83.6 0 top
KiKit_MB_16_4  -  [NPTH]  24.85 80.5 0 top
KiKit_MB_16_4#2  -  [NPTH]  79.2 84.1 0 top
KiKit_MB_16_5  -  [NPTH]  25.35 80.5 0 top
KiKit_MB_16_5#2  -  [NPTH]  79.2 84.6 0 top
KiKit_MB_17_1  -  [NPTH]  70.95 72.5 0 top
KiKit_MB_17_1#2  -  [NPTH]  20.1 77.9 0 top
KiKit_MB_17_2  -  [NPTH]  70.45 72.5 0 top
KiKit_MB_17_2#2  -  [NPTH]  20.1 78.4 0 top
KiKit_MB_17_3  -  [NPTH]  20.1 78.9 0 top
KiKit_MB_17_3#2  -  [NPTH]  69.95 72.5 0 top
KiKit_MB_17_4  -  [NPTH]  20.1 79.4 0 top
KiKit_MB_17_4#2  -  [NPTH]  69.45 72.5 0 top
KiKit_MB_17_5  -  [NPTH]  68.95 72.5 0 top
KiKit_MB_17_5#2  -  [NPTH]  20.1 79.9 0 top
KiKit_MB_18_1  -  [NPTH]  28.6 70.4 0 top
KiKit_MB_18_1#2  -  [NPTH]  73.8 77.4 0 top
KiKit_MB_18_2  -  [NPTH]  73.8 76.9 0 top
KiKit_MB_18_2#2  -  [NPTH]  28.6 69.9 0 top
KiKit_MB_18_3  -  [NPTH]  28.6 69.4 0 top
KiKit_MB_18_3#2  -  [NPTH]  73.8 76.4 0 top
KiKit_MB_18_4  -  [NPTH]  73.8 75.9 0 top
KiKit_MB_18_4#2  -  [NPTH]  28.6 68.9 0 top
KiKit_MB_18_5  -  [NPTH]  28.6 68.4 0 top
KiKit_MB_18_5#2  -  [NPTH]  73.8 75.4 0 top
KiKit_MB_19_1  -  [NPTH]  37.25 80.5 0 top
KiKit_MB_19_1#2  -  [NPTH]  68.95 78.5 0 top
KiKit_MB_19_2  -  [NPTH]  37.75 80.5 0 top
KiKit_MB_19_2#2  -  [NPTH]  69.45 78.5 0 top
KiKit_MB_19_3  -  [NPTH]  38.25 80.5 0 top
KiKit_MB_19_3#2  -  [NPTH]  69.95 78.5 0 top
KiKit_MB_19_4  -  [NPTH]  70.45 78.5 0 top
KiKit_MB_19_4#2  -  [NPTH]  38.75 80.5 0 top
KiKit_MB_19_5  -  [NPTH]  70.95 78.5 0 top
KiKit_MB_19_5#2  -  [NPTH]  39.25 80.5 0 top
KiKit_MB_20_1  -  [NPTH]  63.8 75.4 0 top
KiKit_MB_20_1#2  -  [NPTH]  34 77.9 0 top
KiKit_MB_20_2  -  [NPTH]  63.8 75.9 0 top
KiKit_MB_20_2#2  -  [NPTH]  34 78.4 0 top
KiKit_MB_20_3  -  [NPTH]  34 78.9 0 top
KiKit_MB_20_3#2  -  [NPTH]  63.8 76.4 0 top
KiKit_MB_20_4  -  [NPTH]  34 79.4 0 top
KiKit_MB_20_4#2  -  [NPTH]  63.8 76.9 0 top
KiKit_MB_20_5  -  [NPTH]  34 79.9 0 top
KiKit_MB_20_5#2  -  [NPTH]  63.8 77.4 0 top
KiKit_MB_21_1  -  [NPTH]  86.35 72.5 0 top
KiKit_MB_21_1#2  -  [NPTH]  42.5 70.4 0 top
KiKit_MB_21_2  -  [NPTH]  42.5 69.9 0 top
KiKit_MB_21_2#2  -  [NPTH]  85.85 72.5 0 top
KiKit_MB_21_3  -  [NPTH]  42.5 69.4 0 top
KiKit_MB_21_3#2  -  [NPTH]  85.35 72.5 0 top
KiKit_MB_21_4  -  [NPTH]  42.5 68.9 0 top
KiKit_MB_21_4#2  -  [NPTH]  84.85 72.5 0 top
KiKit_MB_21_5  -  [NPTH]  84.35 72.5 0 top
KiKit_MB_21_5#2  -  [NPTH]  42.5 68.4 0 top
KiKit_MB_22_1  -  [NPTH]  89.2 77.4 0 top
KiKit_MB_22_1#2  -  [NPTH]  51.15 80.5 0 top
KiKit_MB_22_2  -  [NPTH]  89.2 76.9 0 top
KiKit_MB_22_2#2  -  [NPTH]  51.65 80.5 0 top
KiKit_MB_22_3  -  [NPTH]  52.15 80.5 0 top
KiKit_MB_22_3#2  -  [NPTH]  89.2 76.4 0 top
KiKit_MB_22_4  -  [NPTH]  52.65 80.5 0 top
KiKit_MB_22_4#2  -  [NPTH]  89.2 75.9 0 top
KiKit_MB_22_5  -  [NPTH]  89.2 75.4 0 top
KiKit_MB_22_5#2  -  [NPTH]  53.15 80.5 0 top
KiKit_MB_23_1  -  [NPTH]  47.9 77.9 0 top
KiKit_MB_23_1#2  -  [NPTH]  84.35 78.5 0 top
KiKit_MB_23_2  -  [NPTH]  84.85 78.5 0 top
KiKit_MB_23_2#2  -  [NPTH]  47.9 78.4 0 top
KiKit_MB_23_3  -  [NPTH]  47.9 78.9 0 top
KiKit_MB_23_3#2  -  [NPTH]  85.35 78.5 0 top
KiKit_MB_23_4  -  [NPTH]  47.9 79.4 0 top
KiKit_MB_23_4#2  -  [NPTH]  85.85 78.5 0 top
KiKit_MB_23_5  -  [NPTH]  86.35 78.5 0 top
KiKit_MB_23_5#2  -  [NPTH]  47.9 79.9 0 top
KiKit_MB_24_1  -  [NPTH]  79.2 75.4 0 top
KiKit_MB_24_1#2  -  [NPTH]  56.4 70.4 0 top
KiKit_MB_24_2  -  [NPTH]  56.4 69.9 0 top
KiKit_MB_24_2#2  -  [NPTH]  79.2 75.9 0 top
KiKit_MB_24_3  -  [NPTH]  56.4 69.4 0 top
KiKit_MB_24_3#2  -  [NPTH]  79.2 76.4 0 top
KiKit_MB_24_4  -  [NPTH]  79.2 76.9 0 top
KiKit_MB_24_4#2  -  [NPTH]  56.4 68.9 0 top
KiKit_MB_24_5  -  [NPTH]  56.4 68.4 0 top
KiKit_MB_24_5#2  -  [NPTH]  79.2 77.4 0 top
KiKit_MB_25_1  -  [NPTH]  11.45 50.9 0 top
KiKit_MB_25_1#2  -  [NPTH]  70.95 65.3 0 top
KiKit_MB_25_2  -  [NPTH]  10.95 50.9 0 top
KiKit_MB_25_2#2  -  [NPTH]  70.45 65.3 0 top
KiKit_MB_25_3  -  [NPTH]  69.95 65.3 0 top
KiKit_MB_25_3#2  -  [NPTH]  10.45 50.9 0 top
KiKit_MB_25_4  -  [NPTH]  9.95 50.9 0 top
KiKit_MB_25_4#2  -  [NPTH]  69.45 65.3 0 top
KiKit_MB_25_5  -  [NPTH]  9.45 50.9 0 top
KiKit_MB_25_5#2  -  [NPTH]  68.95 65.3 0 top
KiKit_MB_26_1  -  [NPTH]  14.7 53.5 0 top
KiKit_MB_26_1#2  -  [NPTH]  73.8 70.2 0 top
KiKit_MB_26_2  -  [NPTH]  73.8 69.7 0 top
KiKit_MB_26_2#2  -  [NPTH]  14.7 53 0 top
KiKit_MB_26_3  -  [NPTH]  14.7 52.5 0 top
KiKit_MB_26_3#2  -  [NPTH]  73.8 69.2 0 top
KiKit_MB_26_4  -  [NPTH]  14.7 52 0 top
KiKit_MB_26_4#2  -  [NPTH]  73.8 68.7 0 top
KiKit_MB_26_5  -  [NPTH]  14.7 51.5 0 top
KiKit_MB_26_5#2  -  [NPTH]  73.8 68.2 0 top
KiKit_MB_27_1  -  [NPTH]  6.2 61 0 top
KiKit_MB_27_1#2  -  [NPTH]  68.95 71.3 0 top
KiKit_MB_27_2  -  [NPTH]  6.2 61.5 0 top
KiKit_MB_27_2#2  -  [NPTH]  69.45 71.3 0 top
KiKit_MB_27_3  -  [NPTH]  69.95 71.3 0 top
KiKit_MB_27_3#2  -  [NPTH]  6.2 62 0 top
KiKit_MB_27_4  -  [NPTH]  70.45 71.3 0 top
KiKit_MB_27_4#2  -  [NPTH]  6.2 62.5 0 top
KiKit_MB_27_5  -  [NPTH]  70.95 71.3 0 top
KiKit_MB_27_5#2  -  [NPTH]  6.2 63 0 top
KiKit_MB_28_1  -  [NPTH]  25.35 50.9 0 top
KiKit_MB_28_1#2  -  [NPTH]  63.8 68.2 0 top
KiKit_MB_28_2  -  [NPTH]  63.8 68.7 0 top
KiKit_MB_28_2#2  -  [NPTH]  24.85 50.9 0 top
KiKit_MB_28_3  -  [NPTH]  24.35 50.9 0 top
KiKit_MB_28_3#2  -  [NPTH]  63.8 69.2 0 top
KiKit_MB_28_4  -  [NPTH]  63.8 69.7 0 top
KiKit_MB_28_4#2  -  [NPTH]  23.85 50.9 0 top
KiKit_MB_28_5  -  [NPTH]  63.8 70.2 0 top
KiKit_MB_28_5#2  -  [NPTH]  23.35 50.9 0 top
KiKit_MB_29_1  -  [NPTH]  28.6 53.5 0 top
KiKit_MB_29_1#2  -  [NPTH]  86.35 65.3 0 top
KiKit_MB_29_2  -  [NPTH]  85.85 65.3 0 top
KiKit_MB_29_2#2  -  [NPTH]  28.6 53 0 top
KiKit_MB_29_3  -  [NPTH]  85.35 65.3 0 top
KiKit_MB_29_3#2  -  [NPTH]  28.6 52.5 0 top
KiKit_MB_29_4  -  [NPTH]  28.6 52 0 top
KiKit_MB_29_4#2  -  [NPTH]  84.85 65.3 0 top
KiKit_MB_29_5  -  [NPTH]  28.6 51.5 0 top
KiKit_MB_29_5#2  -  [NPTH]  84.35 65.3 0 top
KiKit_MB_30_1  -  [NPTH]  20.1 61 0 top
KiKit_MB_30_1#2  -  [NPTH]  89.2 70.2 0 top
KiKit_MB_30_2  -  [NPTH]  89.2 69.7 0 top
KiKit_MB_30_2#2  -  [NPTH]  20.1 61.5 0 top
KiKit_MB_30_3  -  [NPTH]  89.2 69.2 0 top
KiKit_MB_30_3#2  -  [NPTH]  20.1 62 0 top
KiKit_MB_30_4  -  [NPTH]  89.2 68.7 0 top
KiKit_MB_30_4#2  -  [NPTH]  20.1 62.5 0 top
KiKit_MB_30_5  -  [NPTH]  89.2 68.2 0 top
KiKit_MB_30_5#2  -  [NPTH]  20.1 63 0 top
KiKit_MB_31_1  -  [NPTH]  39.25 50.9 0 top
KiKit_MB_31_1#2  -  [NPTH]  84.35 71.3 0 top
KiKit_MB_31_2  -  [NPTH]  38.75 50.9 0 top
KiKit_MB_31_2#2  -  [NPTH]  84.85 71.3 0 top
KiKit_MB_31_3  -  [NPTH]  85.35 71.3 0 top
KiKit_MB_31_3#2  -  [NPTH]  38.25 50.9 0 top
KiKit_MB_31_4  -  [NPTH]  37.75 50.9 0 top
KiKit_MB_31_4#2  -  [NPTH]  85.85 71.3 0 top
KiKit_MB_31_5  -  [NPTH]  86.35 71.3 0 top
KiKit_MB_31_5#2  -  [NPTH]  37.25 50.9 0 top
KiKit_MB_32_1  -  [NPTH]  42.5 53.5 0 top
KiKit_MB_32_1#2  -  [NPTH]  79.2 68.2 0 top
KiKit_MB_32_2  -  [NPTH]  42.5 53 0 top
KiKit_MB_32_2#2  -  [NPTH]  79.2 68.7 0 top
KiKit_MB_32_3  -  [NPTH]  79.2 69.2 0 top
KiKit_MB_32_3#2  -  [NPTH]  42.5 52.5 0 top
KiKit_MB_32_4  -  [NPTH]  79.2 69.7 0 top
KiKit_MB_32_4#2  -  [NPTH]  42.5 52 0 top
KiKit_MB_32_5  -  [NPTH]  79.2 70.2 0 top
KiKit_MB_32_5#2  -  [NPTH]  42.5 51.5 0 top
KiKit_MB_33_1  -  [NPTH]  70.95 58.1 0 top
KiKit_MB_33_1#2  -  [NPTH]  34 61 0 top
KiKit_MB_33_2  -  [NPTH]  70.45 58.1 0 top
KiKit_MB_33_2#2  -  [NPTH]  34 61.5 0 top
KiKit_MB_33_3  -  [NPTH]  69.95 58.1 0 top
KiKit_MB_33_3#2  -  [NPTH]  34 62 0 top
KiKit_MB_33_4  -  [NPTH]  69.45 58.1 0 top
KiKit_MB_33_4#2  -  [NPTH]  34 62.5 0 top
KiKit_MB_33_5  -  [NPTH]  34 63 0 top
KiKit_MB_33_5#2  -  [NPTH]  68.95 58.1 0 top
KiKit_MB_34_1  -  [NPTH]  53.15 50.9 0 top
KiKit_MB_34_1#2  -  [NPTH]  73.8 63 0 top
KiKit_MB_34_2  -  [NPTH]  52.65 50.9 0 top
KiKit_MB_34_2#2  -  [NPTH]  73.8 62.5 0 top
KiKit_MB_34_3  -  [NPTH]  73.8 62 0 top
KiKit_MB_34_3#2  -  [NPTH]  52.15 50.9 0 top
KiKit_MB_34_4  -  [NPTH]  51.65 50.9 0 top
KiKit_MB_34_4#2  -  [NPTH]  73.8 61.5 0 top
KiKit_MB_34_5  -  [NPTH]  51.15 50.9 0 top
KiKit_MB_34_5#2  -  [NPTH]  73.8 61 0 top
KiKit_MB_35_1  -  [NPTH]  56.4 53.5 0 top
KiKit_MB_35_1#2  -  [NPTH]  68.95 64.1 0 top
KiKit_MB_35_2  -  [NPTH]  56.4 53 0 top
KiKit_MB_35_2#2  -  [NPTH]  69.45 64.1 0 top
KiKit_MB_35_3  -  [NPTH]  56.4 52.5 0 top
KiKit_MB_35_3#2  -  [NPTH]  69.95 64.1 0 top
KiKit_MB_35_4  -  [NPTH]  56.4 52 0 top
KiKit_MB_35_4#2  -  [NPTH]  70.45 64.1 0 top
KiKit_MB_35_5  -  [NPTH]  70.95 64.1 0 top
KiKit_MB_35_5#2  -  [NPTH]  56.4 51.5 0 top
KiKit_MB_36_1  -  [NPTH]  63.8 61 0 top
KiKit_MB_36_1#2  -  [NPTH]  47.9 61 0 top
KiKit_MB_36_2  -  [NPTH]  47.9 61.5 0 top
KiKit_MB_36_2#2  -  [NPTH]  63.8 61.5 0 top
KiKit_MB_36_3  -  [NPTH]  63.8 62 0 top
KiKit_MB_36_3#2  -  [NPTH]  47.9 62 0 top
KiKit_MB_36_4  -  [NPTH]  47.9 62.5 0 top
KiKit_MB_36_4#2  -  [NPTH]  63.8 62.5 0 top
KiKit_MB_36_5  -  [NPTH]  63.8 63 0 top
KiKit_MB_36_5#2  -  [NPTH]  47.9 63 0 top
KiKit_MB_37_1  -  [NPTH]  86.35 58.1 0 top
KiKit_MB_37_1#2  -  [NPTH]  9.45 49.7 0 top
KiKit_MB_37_2  -  [NPTH]  85.85 58.1 0 top
KiKit_MB_37_2#2  -  [NPTH]  9.95 49.7 0 top
KiKit_MB_37_3  -  [NPTH]  85.35 58.1 0 top
KiKit_MB_37_3#2  -  [NPTH]  10.45 49.7 0 top
KiKit_MB_37_4  -  [NPTH]  10.95 49.7 0 top
KiKit_MB_37_4#2  -  [NPTH]  84.85 58.1 0 top
KiKit_MB_37_5  -  [NPTH]  84.35 58.1 0 top
KiKit_MB_37_5#2  -  [NPTH]  11.45 49.7 0 top
KiKit_MB_38_1  -  [NPTH]  89.2 63 0 top
KiKit_MB_38_1#2  -  [NPTH]  6.2 47.1 0 top
KiKit_MB_38_2  -  [NPTH]  6.2 47.6 0 top
KiKit_MB_38_2#2  -  [NPTH]  89.2 62.5 0 top
KiKit_MB_38_3  -  [NPTH]  89.2 62 0 top
KiKit_MB_38_3#2  -  [NPTH]  6.2 48.1 0 top
KiKit_MB_38_4  -  [NPTH]  89.2 61.5 0 top
KiKit_MB_38_4#2  -  [NPTH]  6.2 48.6 0 top
KiKit_MB_38_5  -  [NPTH]  89.2 61 0 top
KiKit_MB_38_5#2  -  [NPTH]  6.2 49.1 0 top
KiKit_MB_39_1  -  [NPTH]  14.7 39.6 0 top
KiKit_MB_39_1#2  -  [NPTH]  84.35 64.1 0 top
KiKit_MB_39_2  -  [NPTH]  14.7 39.1 0 top
KiKit_MB_39_2#2  -  [NPTH]  84.85 64.1 0 top
KiKit_MB_39_3  -  [NPTH]  14.7 38.6 0 top
KiKit_MB_39_3#2  -  [NPTH]  85.35 64.1 0 top
KiKit_MB_39_4  -  [NPTH]  14.7 38.1 0 top
KiKit_MB_39_4#2  -  [NPTH]  85.85 64.1 0 top
KiKit_MB_39_5  -  [NPTH]  86.35 64.1 0 top
KiKit_MB_39_5#2  -  [NPTH]  14.7 37.6 0 top
KiKit_MB_40_1  -  [NPTH]  23.35 49.7 0 top
KiKit_MB_40_1#2  -  [NPTH]  79.2 61 0 top
KiKit_MB_40_2  -  [NPTH]  23.85 49.7 0 top
KiKit_MB_40_2#2  -  [NPTH]  79.2 61.5 0 top
KiKit_MB_40_3  -  [NPTH]  79.2 62 0 top
KiKit_MB_40_3#2  -  [NPTH]  24.35 49.7 0 top
KiKit_MB_40_4  -  [NPTH]  24.85 49.7 0 top
KiKit_MB_40_4#2  -  [NPTH]  79.2 62.5 0 top
KiKit_MB_40_5  -  [NPTH]  25.35 49.7 0 top
KiKit_MB_40_5#2  -  [NPTH]  79.2 63 0 top
KiKit_MB_41_1  -  [NPTH]  70.95 50.9 0 top
KiKit_MB_41_1#2  -  [NPTH]  20.1 47.1 0 top
KiKit_MB_41_2  -  [NPTH]  20.1 47.6 0 top
KiKit_MB_41_2#2  -  [NPTH]  70.45 50.9 0 top
KiKit_MB_41_3  -  [NPTH]  20.1 48.1 0 top
KiKit_MB_41_3#2  -  [NPTH]  69.95 50.9 0 top
KiKit_MB_41_4  -  [NPTH]  20.1 48.6 0 top
KiKit_MB_41_4#2  -  [NPTH]  69.45 50.9 0 top
KiKit_MB_41_5  -  [NPTH]  20.1 49.1 0 top
KiKit_MB_41_5#2  -  [NPTH]  68.95 50.9 0 top
KiKit_MB_42_1  -  [NPTH]  73.8 55.8 0 top
KiKit_MB_42_1#2  -  [NPTH]  28.6 39.6 0 top
KiKit_MB_42_2  -  [NPTH]  73.8 55.3 0 top
KiKit_MB_42_2#2  -  [NPTH]  28.6 39.1 0 top
KiKit_MB_42_3  -  [NPTH]  73.8 54.8 0 top
KiKit_MB_42_3#2  -  [NPTH]  28.6 38.6 0 top
KiKit_MB_42_4  -  [NPTH]  73.8 54.3 0 top
KiKit_MB_42_4#2  -  [NPTH]  28.6 38.1 0 top
KiKit_MB_42_5  -  [NPTH]  28.6 37.6 0 top
KiKit_MB_42_5#2  -  [NPTH]  73.8 53.8 0 top
KiKit_MB_43_1  -  [NPTH]  68.95 56.9 0 top
KiKit_MB_43_1#2  -  [NPTH]  37.25 49.7 0 top
KiKit_MB_43_2  -  [NPTH]  69.45 56.9 0 top
KiKit_MB_43_2#2  -  [NPTH]  37.75 49.7 0 top
KiKit_MB_43_3  -  [NPTH]  69.95 56.9 0 top
KiKit_MB_43_3#2  -  [NPTH]  38.25 49.7 0 top
KiKit_MB_43_4  -  [NPTH]  70.45 56.9 0 top
KiKit_MB_43_4#2  -  [NPTH]  38.75 49.7 0 top
KiKit_MB_43_5  -  [NPTH]  39.25 49.7 0 top
KiKit_MB_43_5#2  -  [NPTH]  70.95 56.9 0 top
KiKit_MB_44_1  -  [NPTH]  34 47.1 0 top
KiKit_MB_44_1#2  -  [NPTH]  63.8 53.8 0 top
KiKit_MB_44_2  -  [NPTH]  34 47.6 0 top
KiKit_MB_44_2#2  -  [NPTH]  63.8 54.3 0 top
KiKit_MB_44_3  -  [NPTH]  63.8 54.8 0 top
KiKit_MB_44_3#2  -  [NPTH]  34 48.1 0 top
KiKit_MB_44_4  -  [NPTH]  34 48.6 0 top
KiKit_MB_44_4#2  -  [NPTH]  63.8 55.3 0 top
KiKit_MB_44_5  -  [NPTH]  34 49.1 0 top
KiKit_MB_44_5#2  -  [NPTH]  63.8 55.8 0 top
KiKit_MB_45_1  -  [NPTH]  86.35 50.9 0 top
KiKit_MB_45_1#2  -  [NPTH]  42.5 39.6 0 top
KiKit_MB_45_2  -  [NPTH]  42.5 39.1 0 top
KiKit_MB_45_2#2  -  [NPTH]  85.85 50.9 0 top
KiKit_MB_45_3  -  [NPTH]  42.5 38.6 0 top
KiKit_MB_45_3#2  -  [NPTH]  85.35 50.9 0 top
KiKit_MB_45_4  -  [NPTH]  42.5 38.1 0 top
KiKit_MB_45_4#2  -  [NPTH]  84.85 50.9 0 top
KiKit_MB_45_5  -  [NPTH]  42.5 37.6 0 top
KiKit_MB_45_5#2  -  [NPTH]  84.35 50.9 0 top
KiKit_MB_46_1  -  [NPTH]  51.15 49.7 0 top
